# Allegro board 038NC-GRIFFI-V9A_16_20260429.brd (continued)
## Nets (continued)
GX1X_3418_17-154: SLOT17.E15
GX1X_3419_17-155: SLOT17.F15
GX1X_3420_17-156: SLOT17.Z15
GX1X_3421_17-157: SLOT17.Z13
GX1X_3422_17-158: SLOT17.A13
GX1X_3423_17-159: SLOT17.B13
GX1X_3424_17-160: SLOT17.C13
GX1X_3425_17-161: SLOT17.D13
GX1X_3426_17-162: SLOT17.E13
GX1X_3427_17-163: SLOT17.F13
GX1X_3428_17-164: SLOT17.A11
GX1X_3429_17-165: SLOT17.B11
GX1X_3430_17-166: SLOT17.C11
GX1X_3431_17-167: SLOT17.D11
GX1X_3432_17-168: SLOT17.E11
GX1X_3433_17-169: SLOT17.F11
GX1X_3434_17-170: SLOT17.Z11
GX1X_3435_17-171: SLOT17.Z9
GX1X_3436_17-172: SLOT17.A9
GX1X_3437_17-173: SLOT17.B9
GX1X_3438_17-174: SLOT17.C9
GX1X_3439_17-175: SLOT17.D9
GX1X_3440_17-176: SLOT17.E9
GX1X_3441_17-177: SLOT17.F9
GX1X_3442_17-178: SLOT17.A7
GX1X_3443_17-179: SLOT17.B7
GX1X_3444_17-180: SLOT17.C7
GX1X_3445_17-181: SLOT17.D7
GX1X_3446_17-182: SLOT17.E7
GX1X_3447_17-183: SLOT17.F7
GX1X_3448_17-184: SLOT17.Z7
GX1X_3449_17-185: SLOT17.Z5
GX1X_3450_17-186: SLOT17.A5
GX1X_3451_17-187: SLOT17.B5
GX1X_3452_17-188: SLOT17.C5
GX1X_3453_17-189: SLOT17.D5
GX1X_3454_17-190: SLOT17.E5
GX1X_3455_17-191: SLOT17.F5
GX1X_3648_19-0: SLOT19.C61
GX1X_3649_19-1: SLOT19.D61
GX1X_3650_19-2: SLOT19.E61
GX1X_3651_19-3: SLOT19.F61
GX1X_3652_19-4: SLOT19.A59
GX1X_3653_19-5: SLOT19.B59
GX1X_3654_19-6: SLOT19.C59
GX1X_3655_19-7: SLOT19.D59
GX1X_3656_19-8: SLOT19.E59
GX1X_3657_19-9: SLOT19.F59
GX1X_3658_19-10: SLOT19.Z59
GX1X_3659_19-11: SLOT19.Z57
GX1X_3660_19-12: SLOT19.A57
GX1X_3661_19-13: SLOT19.B57
GX1X_3662_19-14: SLOT19.C57
GX1X_3663_19-15: SLOT19.D57
GX1X_3664_19-16: SLOT19.E57
GX1X_3665_19-17: SLOT19.F57
GX1X_3666_19-18: SLOT19.A55
GX1X_3667_19-19: SLOT19.B55
GX1X_3668_19-20: SLOT19.C55
GX1X_3669_19-21: SLOT19.D55
GX1X_3670_19-22: SLOT19.E55
GX1X_3671_19-23: SLOT19.F55
GX1X_3672_19-24: SLOT19.Z55
GX1X_3673_19-25: SLOT19.Z53
GX1X_3674_19-26: SLOT19.A53
GX1X_3675_19-27: SLOT19.B53
GX1X_3676_19-28: SLOT19.C53
GX1X_3677_19-29: SLOT19.D53
GX1X_3678_19-30: SLOT19.E53
GX1X_3679_19-31: SLOT19.F53
GX1X_3680_19-32: SLOT19.A51
GX1X_3681_19-33: SLOT19.B51
GX1X_3682_19-34: SLOT19.C51
GX1X_3683_19-35: SLOT19.D51
GX1X_3684_19-36: SLOT19.E51
GX1X_3685_19-37: SLOT19.F51
GX1X_3686_19-38: SLOT19.A49
GX1X_3687_19-39: SLOT19.B49
GX1X_3688_19-40: SLOT19.C49
GX1X_3689_19-41: SLOT19.D49
GX1X_3690_19-42: SLOT19.E49
GX1X_3691_19-43: SLOT19.F49
GX1X_3692_19-44: SLOT19.Z49
GX1X_3693_19-45: SLOT19.Z47
GX1X_3694_19-46: SLOT19.A47
GX1X_3695_19-47: SLOT19.B47
GX1X_3696_19-48: SLOT19.C47
GX1X_3697_19-49: SLOT19.D47
GX1X_3698_19-50: SLOT19.E47
GX1X_3699_19-51: SLOT19.F47
GX1X_3700_19-52: SLOT19.A45
GX1X_3701_19-53: SLOT19.B45
GX1X_3702_19-54: SLOT19.C45
GX1X_3703_19-55: SLOT19.D45
GX1X_3704_19-56: SLOT19.E45
GX1X_3705_19-57: SLOT19.F45
GX1X_3706_19-58: SLOT19.Z45
GX1X_3707_19-59: SLOT19.Z43
GX1X_3708_19-60: SLOT19.A43
GX1X_3709_19-61: SLOT19.B43
GX1X_3710_19-62: SLOT19.C43
GX1X_3711_19-63: SLOT19.D43
GX1X_3712_19-64: SLOT19.A37
GX1X_3713_19-65: SLOT19.B37
GX1X_3714_19-66: SLOT19.C37
GX1X_3715_19-67: SLOT19.D37
GX1X_3716_19-68: SLOT19.E37
GX1X_3717_19-69: SLOT19.F37
GX1X_3718_19-70: SLOT19.A35
GX1X_3719_19-71: SLOT19.B35
GX1X_3720_19-72: SLOT19.C35
GX1X_3721_19-73: SLOT19.D35
GX1X_3722_19-74: SLOT19.E35
GX1X_3723_19-75: SLOT19.F35
GX1X_3724_19-76: SLOT19.Z35
GX1X_3725_19-77: SLOT19.Z33
GX1X_3726_19-78: SLOT19.A33
GX1X_3727_19-79: SLOT19.B33
GX1X_3728_19-80: SLOT19.C33
GX1X_3729_19-81: SLOT19.D33
GX1X_3730_19-82: SLOT19.E33
GX1X_3731_19-83: SLOT19.F33
GX1X_3732_19-84: SLOT19.A31
GX1X_3733_19-85: SLOT19.B31
GX1X_3734_19-86: SLOT19.C31
GX1X_3735_19-87: SLOT19.D31
GX1X_3736_19-88: SLOT19.E31
GX1X_3737_19-89: SLOT19.F31
GX1X_3738_19-90: SLOT19.Z31
GX1X_3739_19-91: SLOT19.Z29
GX1X_3740_19-92: SLOT19.A29
GX1X_3741_19-93: SLOT19.B29
GX1X_3742_19-94: SLOT19.C29
GX1X_3743_19-95: SLOT19.D29
GX1X_3744_19-96: SLOT19.E29
GX1X_3745_19-97: SLOT19.F29
GX1X_3746_19-98: SLOT19.A27
GX1X_3747_19-99: SLOT19.B27
GX1X_3748_19-100: SLOT19.C27
GX1X_3749_19-101: SLOT19.D27
GX1X_3750_19-102: SLOT19.E27
GX1X_3751_19-103: SLOT19.F27
GX1X_3752_19-104: SLOT19.Z27
GX1X_3753_19-105: SLOT19.Z25
GX1X_3754_19-106: SLOT19.A25
GX1X_3755_19-107: SLOT19.B25
GX1X_3756_19-108: SLOT19.C25
GX1X_3757_19-109: SLOT19.D25
GX1X_3758_19-110: SLOT19.E25
GX1X_3759_19-111: SLOT19.F25
GX1X_3760_19-112: SLOT19.A23
GX1X_3761_19-113: SLOT19.B23
GX1X_3762_19-114: SLOT19.C23
GX1X_3763_19-115: SLOT19.D23
GX1X_3764_19-116: SLOT19.E23
GX1X_3765_19-117: SLOT19.F23
GX1X_3766_19-118: SLOT19.Z23
GX1X_3767_19-119: SLOT19.Z21
GX1X_3768_19-120: SLOT19.A21
GX1X_3769_19-121: SLOT19.B21
GX1X_3770_19-122: SLOT19.C21
GX1X_3771_19-123: SLOT19.D21
GX1X_3772_19-124: SLOT19.E21
GX1X_3773_19-125: SLOT19.F21
GX1X_3774_19-126: SLOT19.B19
GX1X_3775_19-127: SLOT19.C19
GX1X_3776_19-128: SLOT19.E43
GX1X_3777_19-129: SLOT19.F43
GX1X_3778_19-130: SLOT19.A41
GX1X_3779_19-131: SLOT19.B41
GX1X_3780_19-132: SLOT19.C41
GX1X_3781_19-133: SLOT19.D41
GX1X_3782_19-134: SLOT19.E41
GX1X_3783_19-135: SLOT19.F41
GX1X_3784_19-136: SLOT19.Z41
GX1X_3785_19-137: SLOT19.Z39
GX1X_3786_19-138: SLOT19.A39
GX1X_3787_19-139: SLOT19.B39
GX1X_3788_19-140: SLOT19.C39
GX1X_3789_19-141: SLOT19.D39
GX1X_3790_19-142: SLOT19.E39
GX1X_3791_19-143: SLOT19.F39
GX1X_3792_19-144: SLOT19.A17
GX1X_3793_19-145: SLOT19.B17
GX1X_3794_19-146: SLOT19.C17
GX1X_3795_19-147: SLOT19.D17
GX1X_3796_19-148: SLOT19.E17
GX1X_3797_19-149: SLOT19.F17
GX1X_3798_19-150: SLOT19.A15
GX1X_3799_19-151: SLOT19.B15
GX1X_3800_19-152: SLOT19.C15
GX1X_3801_19-153: SLOT19.D15
GX1X_3802_19-154: SLOT19.E15
GX1X_3803_19-155: SLOT19.F15
GX1X_3804_19-156: SLOT19.Z15
GX1X_3805_19-157: SLOT19.Z13
GX1X_3806_19-158: SLOT19.A13
GX1X_3807_19-159: SLOT19.B13
GX1X_3808_19-160: SLOT19.C13
GX1X_3809_19-161: SLOT19.D13
GX1X_3810_19-162: SLOT19.E13
GX1X_3811_19-163: SLOT19.F13
GX1X_3812_19-164: SLOT19.A11
GX1X_3813_19-165: SLOT19.B11
GX1X_3814_19-166: SLOT19.C11
GX1X_3815_19-167: SLOT19.D11
GX1X_3816_19-168: SLOT19.E11
GX1X_3817_19-169: SLOT19.F11
GX1X_3818_19-170: SLOT19.Z11
GX1X_3819_19-171: SLOT19.Z9
GX1X_3820_19-172: SLOT19.A9
GX1X_3821_19-173: SLOT19.B9
GX1X_3822_19-174: SLOT19.C9
GX1X_3823_19-175: SLOT19.D9
GX1X_3824_19-176: SLOT19.E9
GX1X_3825_19-177: SLOT19.F9
GX1X_3826_19-178: SLOT19.A7
GX1X_3827_19-179: SLOT19.B7
GX1X_3828_19-180: SLOT19.C7
GX1X_3829_19-181: SLOT19.D7
GX1X_3830_19-182: SLOT19.E7
GX1X_3831_19-183: SLOT19.F7
GX1X_3832_19-184: SLOT19.Z7
GX1X_3833_19-185: SLOT19.Z5
GX1X_3834_19-186: SLOT19.A5
GX1X_3835_19-187: SLOT19.B5
GX1X_3836_19-188: SLOT19.C5
GX1X_3837_19-189: SLOT19.D5
GX1X_3838_19-190: SLOT19.E5
GX1X_3839_19-191: SLOT19.F5
HDVI_721_10-CH1BP: SLOT10.B35
HDVI_721_10-CH1F: SLOT10.F33 SLOT10.F35 UNK8K10.2
HDVI_721_10-CH1GS: SLOT10.A33 SLOT10.A35 UNK8SH9.1
HDVI_721_10-CH1S: SLOT10.C33 SLOT10.C35 UNK8K10.7
HDVI_722_10-CH2BP: SLOT10.B33
HDVI_723_10-CH3BP: SLOT10.B31
HDVI_723_10-CH3F: SITE8.F25(VSYS_F) SLOT10.F29 SLOT10.F31 UNK8CS25.1 UNK8K2.3 UNK8TP_VSYS_F.1
HDVI_723_10-CH3GS: SLOT10.A29 SLOT10.A31 UNK8SH7.2
HDVI_723_10-CH3S: SITE8.S25(VSYS_S) SLOT10.C29 SLOT10.C31 UNK8TP_VSYS_S.1
HDVI_724_10-CH4BP: SLOT10.B29
HDVI_725_10-CH5BP: SLOT10.B27
HDVI_725_10-CH5F: SITE8.F5(LSOUT1 / ILIM1_F) SLOT10.F27 UNK8CS5.2 UNK8K8.3 UNK8SH36.2 UNK8TP_LSOUT1_F.1
HDVI_725_10-CH5GS: SLOT10.A27 UNK8SH32.1
HDVI_725_10-CH5S: SITE8.S5(LSOUT1 / ILIM1_S) SLOT10.C27 UNK8TP_LSOUT1_S.1
HDVI_726_10-CH6BP: SLOT10.B25
HDVI_726_10-CH6F: SLOT10.F25 UNK8K13.4 UNK8TP_NPG/ATB1_F.1
HDVI_726_10-CH6GS: SLOT10.A25 UNK8SH16.1
HDVI_726_10-CH6S: SLOT10.C25 UNK8K13.5 UNK8TP_NPG/ATB1_S.1
HDVI_727_10-CH7BP: SLOT10.B23
HDVI_727_10-CH7F: SLOT10.F23 UNK8K14.4 UNK8TP_NCHG/ATB0_F.1
HDVI_727_10-CH7GS: SLOT10.A23 UNK8SH14.1
HDVI_727_10-CH7S: SLOT10.C23 UNK8K14.5
HDVI_728_10-CH8BP: SLOT10.B21
HDVI_728_10-CH8F: SITE8.F19(LSOUT2 / SUSPEND_F) SLOT10.F21 UNK8CS19.1 UNK8K8.6 UNK8SH38.2 UNK8TP_LSOUT2/SUSPEND_F.1
HDVI_728_10-CH8GS: SLOT10.A21 UNK8SH30.2
HDVI_728_10-CH8S: SITE8.S19(LSOUT2 / SUSPEND_S) SLOT10.C21 UNK8TP_LSOUT2/SUSPEND1_S.1
HDVI_729_10-CH9BP: SLOT10.D37
HDVI_729_10-CH9F: SLOT10.E35 SLOT10.F37 UNK6K10.2
HDVI_729_10-CH9GS: SLOT10.B37 SLOT10.C37 UNK6SH9.1
HDVI_729_10-CH9S: SLOT10.E33 SLOT10.E37 UNK6K10.7
HDVI_730_10-CH10BP: SLOT10.D33
HDVI_731_10-CH11BP: SLOT10.D29
HDVI_731_10-CH11F: SITE6.F25(VSYS_F) SLOT10.E27 SLOT10.E31 UNK6CS25.1 UNK6K2.3 UNK6TP_VSYS_F.1
HDVI_731_10-CH11GS: SLOT10.A37 SLOT10.B19 UNK6SH7.2
HDVI_731_10-CH11S: SITE6.S25(VSYS_S) SLOT10.E25 SLOT10.E29 UNK6TP_VSYS_S.1
HDVI_732_10-CH12BP: SLOT10.D25
HDVI_733_10-CH13BP: SLOT10.D21
HDVI_733_10-CH13F: SITE6.F5(LSOUT1 / ILIM1_F) SLOT10.E23 UNK6CS5.2 UNK6K8.3 UNK6SH36.2 UNK6TP_LSOUT1_F.1
HDVI_733_10-CH13GS: SLOT10.A19 UNK6SH32.1
HDVI_733_10-CH13S: SITE6.S5(LSOUT1 / ILIM1_S) SLOT10.E21 UNK6TP_LSOUT1_S.1
HDVI_734_10-CH14BP: SLOT10.D19
HDVI_734_10-CH14F: SLOT10.F19 UNK6K13.4 UNK6TP_NPG/ATB1_F.1
HDVI_734_10-CH14GS: SLOT10.C19 UNK6SH16.1
HDVI_734_10-CH14S: SLOT10.E19 UNK6K13.5 UNK6TP_NPG/ATB1_S.1
HDVI_735_10-CH15BP: SLOT10.D17
HDVI_735_10-CH15F: SLOT10.F17 UNK6K14.4 UNK6TP_NCHG/ATB0_F.1
HDVI_735_10-CH15GS: SLOT10.A17 UNK6SH14.1
HDVI_735_10-CH15S: SLOT10.E17 UNK6K14.5
HDVI_736_10-CH16BP: SLOT10.C17
HDVI_736_10-CH16F: SITE6.F19(LSOUT2 / SUSPEND_F) SLOT10.E15 UNK6CS19.1 UNK6K8.6 UNK6SH38.2 UNK6TP_LSOUT2/SUSPEND_F.1
HDVI_736_10-CH16GS: SLOT10.B17 UNK6SH30.2
HDVI_736_10-CH16S: SITE6.S19(LSOUT2 / SUSPEND_S) SLOT10.D15 UNK6TP_LSOUT2/SUSPEND1_S.1
HDVI_737_10-CH17BP: SLOT10.B15
HDVI_737_10-CH17F: SLOT10.F13 SLOT10.F15 UNK2K10.2
HDVI_737_10-CH17GS: SLOT10.A13 SLOT10.A15 UNK2SH9.1
HDVI_737_10-CH17S: SLOT10.C15 SLOT10.E13 UNK2K10.7
HDVI_738_10-CH18BP: SLOT10.D13
HDVI_739_10-CH19BP: SLOT10.D11
HDVI_739_10-CH19F: SITE2.F25(VSYS_F) SLOT10.E9 SLOT10.F11 UNK2CS25.1 UNK2K2.3 UNK2TP_VSYS_F.1
HDVI_739_10-CH19GS: SLOT10.B13 SLOT10.C13 UNK2SH7.2
HDVI_739_10-CH19S: SITE2.S25(VSYS_S) SLOT10.D9 SLOT10.E11 UNK2TP_VSYS_S.1
HDVI_740_10-CH20BP: SLOT10.C11
HDVI_741_10-CH21BP: SLOT10.B9
HDVI_741_10-CH21F: SITE2.F5(LSOUT1 / ILIM1_F) SLOT10.F9 UNK2CS5.2 UNK2K8.3 UNK2SH36.2 UNK2TP_LSOUT1_F.1
HDVI_741_10-CH21GS: SLOT10.B11 UNK2SH32.1
HDVI_741_10-CH21S: SITE2.S5(LSOUT1 / ILIM1_S) SLOT10.C9 UNK2TP_LSOUT1_S.1
HDVI_742_10-CH22BP: SLOT10.D7
HDVI_742_10-CH22F: SLOT10.F7 UNK2K13.4 UNK2TP_NPG/ATB1_F.1
HDVI_742_10-CH22GS: SLOT10.A11 UNK2SH16.1
HDVI_742_10-CH22S: SLOT10.E7 UNK2K13.5 UNK2TP_NPG/ATB1_S.1
HDVI_743_10-CH23BP: SLOT10.D5
HDVI_743_10-CH23F: SLOT10.F5 UNK2K14.4 UNK2TP_NCHG/ATB0_F.1
HDVI_743_10-CH23GS: SLOT10.A9 UNK2SH14.1
HDVI_743_10-CH23S: SLOT10.E5 UNK2K14.5
HDVI_744_10-CH24BP: SLOT10.D3
HDVI_744_10-CH24F: SITE2.F19(LSOUT2 / SUSPEND_F) SLOT10.F3 UNK2CS19.1 UNK2K8.6 UNK2SH38.2 UNK2TP_LSOUT2/SUSPEND_F.1
HDVI_744_10-CH24GS: SLOT10.A7 UNK2SH30.2
HDVI_744_10-CH24S: SITE2.S19(LSOUT2 / SUSPEND_S) SLOT10.E3 UNK2TP_LSOUT2/SUSPEND1_S.1
HDVI_745_10-CH25BP: SLOT10.D1
HDVI_745_10-CH25F: SLOT10.F1
HDVI_745_10-CH25GS: SLOT10.B7
HDVI_745_10-CH25S: SLOT10.E1
HDVI_746_10-CH26BP: SLOT10.C3
HDVI_746_10-CH26F: SLOT10.G4
HDVI_746_10-CH26GS: SLOT10.C7
HDVI_746_10-CH26S: SLOT10.C1
HDVI_747_10-CH27BP: SLOT10.D2
HDVI_747_10-CH27F: SLOT10.F2
HDVI_747_10-CH27GS: SLOT10.C5
HDVI_747_10-CH27S: SLOT10.C4
HDVI_748_10-CH28BP: SLOT10.B3
HDVI_748_10-CH28F: SLOT10.A4
HDVI_748_10-CH28GS: SLOT10.B5
HDVI_748_10-CH28S: SLOT10.B1
HDVI_749_10-CH29BP: SLOT10.A3
HDVI_749_10-CH29F: SLOT10.B2
HDVI_749_10-CH29GS: SLOT10.A5
HDVI_749_10-CH29S: SLOT10.A1
HDVI_750_10-CH30BP: SLOT10.A60
HDVI_750_10-CH30F: SLOT10.B62
HDVI_750_10-CH30GS: SLOT10.B58
HDVI_750_10-CH30S: SLOT10.A61
HDVI_751_10-CH31BP: SLOT10.A59
HDVI_751_10-CH31F: SLOT10.C62
HDVI_751_10-CH31GS: SLOT10.A57
HDVI_751_10-CH31S: SLOT10.B61
HDVI_752_10-CH32BP: SLOT10.E60
HDVI_752_10-CH32F: SLOT10.F62
HDVI_752_10-CH32GS: SLOT10.C60
HDVI_752_10-CH32S: SLOT10.F61
HDVI_753_10-CH33BP: SLOT10.D61
HDVI_753_10-CH33F: SLOT10.E62 SLOT10.F59 UNK16K10.2
HDVI_753_10-CH33GS: SLOT10.B59 SLOT10.C61 UNK16SH9.1
HDVI_753_10-CH33S: SLOT10.D59 SLOT10.E61 UNK16K10.7
HDVI_754_10-CH34BP: SLOT10.C59
HDVI_755_10-CH35BP: SLOT10.F58
HDVI_755_10-CH35F: SITE16.F25(VSYS_F) SLOT10.E57 SLOT10.G60 UNK16CS25.1 UNK16K2.3 UNK16TP_VSYS_F.1
HDVI_755_10-CH35GS: SLOT10.B57 SLOT10.D58 UNK16SH7.2
HDVI_755_10-CH35S: SITE16.S25(VSYS_S) SLOT10.D57 SLOT10.E59 UNK16TP_VSYS_S.1
HDVI_756_10-CH36BP: SLOT10.C57
HDVI_757_10-CH37BP: SLOT10.E56
HDVI_757_10-CH37F: SITE16.F5(LSOUT1 / ILIM1_F) SLOT10.F57 UNK16CS5.2 UNK16K8.3 UNK16SH36.2 UNK16TP_LSOUT1_F.1
HDVI_757_10-CH37GS: SLOT10.C56 UNK16SH32.1
HDVI_757_10-CH37S: SITE16.S5(LSOUT1 / ILIM1_S) SLOT10.G56 UNK16TP_LSOUT1_S.1
HDVI_758_10-CH38BP: SLOT10.D55
HDVI_758_10-CH38F: SLOT10.F55 UNK16K13.4 UNK16TP_NPG/ATB1_F.1
HDVI_758_10-CH38GS: SLOT10.B55 UNK16SH16.1
HDVI_758_10-CH38S: SLOT10.E55 UNK16K13.5 UNK16TP_NPG/ATB1_S.1
HDVI_759_10-CH39BP: SLOT10.B54
HDVI_759_10-CH39F: SLOT10.E52 UNK16K14.4 UNK16TP_NCHG/ATB0_F.1
HDVI_759_10-CH39GS: SLOT10.A55 UNK16SH14.1
HDVI_759_10-CH39S: SLOT10.C55 UNK16K14.5
HDVI_760_10-CH40BP: SLOT10.D54
HDVI_760_10-CH40F: SITE16.F19(LSOUT2 / SUSPEND_F) SLOT10.G52 UNK16CS19.1 UNK16K8.6 UNK16SH38.2 UNK16TP_LSOUT2/SUSPEND_F.1
HDVI_760_10-CH40GS: SLOT10.A56 UNK16SH30.2
HDVI_760_10-CH40S: SITE16.S19(LSOUT2 / SUSPEND_S) SLOT10.F54 UNK16TP_LSOUT2/SUSPEND1_S.1
HDVI_761_10-CH41BP: SLOT10.B53
HDVI_761_10-CH41F: SLOT10.F51 SLOT10.F53 UNK14K10.2
HDVI_761_10-CH41GS: SLOT10.A52 SLOT10.A53 UNK14SH9.1
HDVI_761_10-CH41S: SLOT10.C53 SLOT10.E53 UNK14K10.7
HDVI_762_10-CH42BP: SLOT10.D53
HDVI_763_10-CH43BP: SLOT10.C51
HDVI_763_10-CH43F: SITE14.F25(VSYS_F) SLOT10.E51 SLOT10.F49 UNK14CS25.1 UNK14K2.3 UNK14TP_VSYS_F.1
HDVI_763_10-CH43GS: SLOT10.A51 SLOT10.C52 UNK14SH7.2
HDVI_763_10-CH43S: SITE14.S25(VSYS_S) SLOT10.D51 SLOT10.F50 UNK14TP_VSYS_S.1
HDVI_764_10-CH44BP: SLOT10.D50
HDVI_765_10-CH45BP: SLOT10.B50
HDVI_765_10-CH45F: SITE14.F5(LSOUT1 / ILIM1_F) SLOT10.E49 UNK14CS5.2 UNK14K8.3 UNK14SH36.2 UNK14TP_LSOUT1_F.1
HDVI_765_10-CH45GS: SLOT10.B51 UNK14SH32.1
HDVI_765_10-CH45S: SITE14.S5(LSOUT1 / ILIM1_S) SLOT10.D49 UNK14TP_LSOUT1_S.1
HDVI_766_10-CH46BP: SLOT10.B49
HDVI_766_10-CH46F: SLOT10.G48 UNK14K13.4 UNK14TP_NPG/ATB1_F.1
HDVI_766_10-CH46GS: SLOT10.A49 UNK14SH16.1
HDVI_766_10-CH46S: SLOT10.C49 UNK14K13.5 UNK14TP_NPG/ATB1_S.1
HDVI_767_10-CH47BP: SLOT10.D47
HDVI_767_10-CH47F: SLOT10.F47 UNK14K14.4 UNK14TP_NCHG/ATB0_F.1
HDVI_767_10-CH47GS: SLOT10.A48 UNK14SH14.1
HDVI_767_10-CH47S: SLOT10.E47 UNK14K14.5
HDVI_768_10-CH48BP: SLOT10.C45
HDVI_768_10-CH48F: SITE14.F19(LSOUT2 / SUSPEND_F) SLOT10.F45 UNK14CS19.1 UNK14K8.6 UNK14SH38.2 UNK14TP_LSOUT2/SUSPEND_F.1
HDVI_768_10-CH48GS: SLOT10.C48 UNK14SH30.2
HDVI_768_10-CH48S: SITE14.S19(LSOUT2 / SUSPEND_S) SLOT10.D46 UNK14TP_LSOUT2/SUSPEND1_S.1
HDVI_769_10-CH49BP: SLOT10.C47
HDVI_769_10-CH49F: SLOT10.F46 SLOT10.G44 UNK12K10.2
HDVI_769_10-CH49GS: SLOT10.B47 SLOT10.E48 UNK12SH9.1
HDVI_769_10-CH49S: SLOT10.B45 SLOT10.E45 UNK12K10.7
HDVI_770_10-CH50BP: SLOT10.B46
HDVI_771_10-CH51BP: SLOT10.D45
HDVI_771_10-CH51F: SITE12.F25(VSYS_F) SLOT10.F41 SLOT10.F43 UNK12CS25.1 UNK12K2.3 UNK12TP_VSYS_F.1
HDVI_771_10-CH51GS: SLOT10.A45 SLOT10.A47 UNK12SH7.2
HDVI_771_10-CH51S: SITE12.S25(VSYS_S) SLOT10.E43 SLOT10.F42 UNK12TP_VSYS_S.1
HDVI_772_10-CH52BP: SLOT10.D43
HDVI_773_10-CH53BP: SLOT10.D42
HDVI_773_10-CH53F: SITE12.F5(LSOUT1 / ILIM1_F) SLOT10.G40 UNK12CS5.2 UNK12K8.3 UNK12SH36.2 UNK12TP_LSOUT1_F.1
HDVI_773_10-CH53GS: SLOT10.A44 UNK12SH32.1
HDVI_773_10-CH53S: SITE12.S5(LSOUT1 / ILIM1_S) SLOT10.E41 UNK12TP_LSOUT1_S.1
HDVI_774_10-CH54BP: SLOT10.C41
HDVI_774_10-CH54F: SLOT10.F39 UNK12K13.4 UNK12TP_NPG/ATB1_F.1
HDVI_774_10-CH54GS: SLOT10.C44 UNK12SH16.1
HDVI_774_10-CH54S: SLOT10.D41 UNK12K13.5 UNK12TP_NPG/ATB1_S.1
HDVI_775_10-CH55BP: SLOT10.B41
HDVI_775_10-CH55F: SLOT10.F38 UNK12K14.4 UNK12TP_NCHG/ATB0_F.1
HDVI_775_10-CH55GS: SLOT10.E44 UNK12SH14.1
HDVI_775_10-CH55S: SLOT10.B39 UNK12K14.5
HDVI_776_10-CH56BP: SLOT10.C39
HDVI_776_10-CH56F: SITE12.F19(LSOUT2 / SUSPEND_F) SLOT10.E39 UNK12CS19.1 UNK12K8.6 UNK12SH38.2 UNK12TP_LSOUT2/SUSPEND_F.1
HDVI_776_10-CH56GS: SLOT10.C43 UNK12SH30.2
HDVI_776_10-CH56S: SITE12.S19(LSOUT2 / SUSPEND_S) SLOT10.D39 UNK12TP_LSOUT2/SUSPEND1_S.1
HDVI_777_10-CH57BP: SLOT10.A41
HDVI_777_10-CH57F: SLOT10.C40 SLOT10.E40 UNK10K10.2
HDVI_777_10-CH57GS: SLOT10.A43 SLOT10.B43 UNK10SH9.1
HDVI_777_10-CH57S: SLOT10.A39 SLOT10.A40 UNK10K10.7
HDVI_778_10-CH58BP: SLOT10.B42
HDVI_779_10-CH59BP: SLOT10.C36
HDVI_779_10-CH59F: SITE10.F25(VSYS_F) SLOT10.G32 SLOT10.G36 UNK10CS25.1 UNK10K2.3 UNK10TP_VSYS_F.1
HDVI_779_10-CH59GS: SLOT10.B38 SLOT10.D38 UNK10SH7.2
HDVI_779_10-CH59S: SITE10.S25(VSYS_S) SLOT10.E32 SLOT10.E36 UNK10TP_VSYS_S.1
HDVI_780_10-CH60BP: SLOT10.D34
HDVI_781_10-CH61BP: SLOT10.E24
HDVI_781_10-CH61F: SITE10.F5(LSOUT1 / ILIM1_F) SLOT10.E28 UNK10CS5.2 UNK10K8.3 UNK10SH36.2 UNK10TP_LSOUT1_F.1
HDVI_781_10-CH61GS: SLOT10.A36 UNK10SH32.1
HDVI_781_10-CH61S: SITE10.S5(LSOUT1 / ILIM1_S) SLOT10.F26 UNK10TP_LSOUT1_S.1
HDVI_782_10-CH62BP: SLOT10.F18
HDVI_782_10-CH62F: SLOT10.G20 UNK10K13.4 UNK10TP_NPG/ATB1_F.1
HDVI_782_10-CH62GS: SLOT10.B10 UNK10SH16.1
HDVI_782_10-CH62S: SLOT10.E16 UNK10K13.5 UNK10TP_NPG/ATB1_S.1
HDVI_783_10-CH63BP: SLOT10.E12
HDVI_783_10-CH63F: SLOT10.F14 UNK10K14.4 UNK10TP_NCHG/ATB0_F.1
HDVI_783_10-CH63GS: SLOT10.A8 UNK10SH14.1
HDVI_783_10-CH63S: SLOT10.D10 UNK10K14.5
HDVI_784_10-CH64BP: SLOT10.E8
HDVI_784_10-CH64F: SITE10.F19(LSOUT2 / SUSPEND_F) SLOT10.G8 UNK10CS19.1 UNK10K8.6 UNK10SH38.2 UNK10TP_LSOUT2/SUSPEND_F.1
HDVI_784_10-CH64GS: SLOT10.C8 UNK10SH30.2
HDVI_784_10-CH64S: SITE10.S19(LSOUT2 / SUSPEND_S) SLOT10.F6 UNK10TP_LSOUT2/SUSPEND1_S.1
HDVI_785_10-CH65BP: SLOT10.B34
HDVI_785_10-CH65F: SLOT10.F30 SLOT10.F34 UNK4K10.2
HDVI_785_10-CH65GS: SLOT10.A32 SLOT10.B30 UNK4SH9.1
HDVI_785_10-CH65S: SLOT10.C28 SLOT10.C32 UNK4K10.7
HDVI_786_10-CH66BP: SLOT10.D30
HDVI_787_10-CH67BP: SLOT10.B26
HDVI_787_10-CH67F: SITE4.F25(VSYS_F) SLOT10.G24 SLOT10.G28 UNK4CS25.1 UNK4K2.3 UNK4TP_VSYS_F.1
HDVI_787_10-CH67GS: SLOT10.A24 SLOT10.A28 UNK4SH7.2
HDVI_787_10-CH67S: SITE4.S25(VSYS_S) SLOT10.B22 SLOT10.D26 UNK4TP_VSYS_S.1
HDVI_788_10-CH68BP: SLOT10.C24
HDVI_789_10-CH69BP: SLOT10.C20
HDVI_789_10-CH69F: SITE4.F5(LSOUT1 / ILIM1_F) SLOT10.F22 UNK4CS5.2 UNK4K8.3 UNK4SH36.2 UNK4TP_LSOUT1_F.1
HDVI_789_10-CH69GS: SLOT10.A20 UNK4SH32.1
HDVI_789_10-CH69S: SITE4.S5(LSOUT1 / ILIM1_S) SLOT10.D22 UNK4TP_LSOUT1_S.1
HDVI_790_10-CH70BP: SLOT10.D18
HDVI_790_10-CH70F: SLOT10.G16 UNK4K13.4 UNK4TP_NPG/ATB1_F.1
HDVI_790_10-CH70GS: SLOT10.B18 UNK4SH16.1
HDVI_790_10-CH70S: SLOT10.E20 UNK4K13.5 UNK4TP_NPG/ATB1_S.1
HDVI_791_10-CH71BP: SLOT10.C16
HDVI_791_10-CH71F: SLOT10.G12 UNK4K14.4 UNK4TP_NCHG/ATB0_F.1
HDVI_791_10-CH71GS: SLOT10.A16 UNK4SH14.1
HDVI_791_10-CH71S: SLOT10.B14 UNK4K14.5
HDVI_792_10-CH72BP: SLOT10.C12
HDVI_792_10-CH72F: SITE4.F19(LSOUT2 / SUSPEND_F) SLOT10.F10 UNK4CS19.1 UNK4K8.6 UNK4SH38.2 UNK4TP_LSOUT2/SUSPEND_F.1
HDVI_792_10-CH72GS: SLOT10.A12 UNK4SH30.2
HDVI_792_10-CH72S: SITE4.S19(LSOUT2 / SUSPEND_S) SLOT10.D14 UNK4TP_LSOUT2/SUSPEND1_S.1
HDVI_937_13-CH1BP: SLOT13.B35
HDVI_937_13-CH1F: SLOT13.F33 SLOT13.F35 UNK9K10.2
HDVI_937_13-CH1GS: SLOT13.A33 SLOT13.A35 UNK9SH9.1
HDVI_937_13-CH1S: SLOT13.C33 SLOT13.C35 UNK9K10.7
HDVI_938_13-CH2BP: SLOT13.B33
HDVI_939_13-CH3BP: SLOT13.B31
HDVI_939_13-CH3F: SITE9.F25(VSYS_F) SLOT13.F29 SLOT13.F31 UNK9CS25.1 UNK9K2.3 UNK9TP_VSYS_F.1
HDVI_939_13-CH3GS: SLOT13.A29 SLOT13.A31 UNK9SH7.2
HDVI_939_13-CH3S: SITE9.S25(VSYS_S) SLOT13.C29 SLOT13.C31 UNK9TP_VSYS_S.1
HDVI_940_13-CH4BP: SLOT13.B29
HDVI_941_13-CH5BP: SLOT13.B27
HDVI_941_13-CH5F: SITE9.F5(LSOUT1 / ILIM1_F) SLOT13.F27 UNK9CS5.2 UNK9K8.3 UNK9SH36.2 UNK9TP_LSOUT1_F.1
HDVI_941_13-CH5GS: SLOT13.A27 UNK9SH32.1
HDVI_941_13-CH5S: SITE9.S5(LSOUT1 / ILIM1_S) SLOT13.C27 UNK9TP_LSOUT1_S.1
HDVI_942_13-CH6BP: SLOT13.B25
HDVI_942_13-CH6F: SLOT13.F25 UNK9K13.4 UNK9TP_NPG/ATB1_F.1
HDVI_942_13-CH6GS: SLOT13.A25 UNK9SH16.1
HDVI_942_13-CH6S: SLOT13.C25 UNK9K13.5 UNK9TP_NPG/ATB1_S.1
HDVI_943_13-CH7BP: SLOT13.B23
HDVI_943_13-CH7F: SLOT13.F23 UNK9K14.4 UNK9TP_NCHG/ATB0_F.1
HDVI_943_13-CH7GS: SLOT13.A23 UNK9SH14.1
HDVI_943_13-CH7S: SLOT13.C23 UNK9K14.5
HDVI_944_13-CH8BP: SLOT13.B21
HDVI_944_13-CH8F: SITE9.F19(LSOUT2 / SUSPEND_F) SLOT13.F21 UNK9CS19.1 UNK9K8.6 UNK9SH38.2 UNK9TP_LSOUT2/SUSPEND_F.1
HDVI_944_13-CH8GS: SLOT13.A21 UNK9SH30.2
HDVI_944_13-CH8S: SITE9.S19(LSOUT2 / SUSPEND_S) SLOT13.C21 UNK9TP_LSOUT2/SUSPEND1_S.1
HDVI_945_13-CH9BP: SLOT13.D37
HDVI_945_13-CH9F: SLOT13.E35 SLOT13.F37 UNK11K10.2
HDVI_945_13-CH9GS: SLOT13.B37 SLOT13.C37 UNK11SH9.1
HDVI_945_13-CH9S: SLOT13.E33 SLOT13.E37 UNK11K10.7
HDVI_946_13-CH10BP: SLOT13.D33
HDVI_947_13-CH11BP: SLOT13.D29
HDVI_947_13-CH11F: SITE11.F25(VSYS_F) SLOT13.E27 SLOT13.E31 UNK11CS25.1 UNK11K2.3 UNK11TP_VSYS_F.1
HDVI_947_13-CH11GS: SLOT13.A37 SLOT13.B19 UNK11SH7.2
HDVI_947_13-CH11S: SITE11.S25(VSYS_S) SLOT13.E25 SLOT13.E29 UNK11TP_VSYS_S.1
HDVI_948_13-CH12BP: SLOT13.D25
HDVI_949_13-CH13BP: SLOT13.D21
HDVI_949_13-CH13F: SITE11.F5(LSOUT1 / ILIM1_F) SLOT13.E23 UNK11CS5.2 UNK11K8.3 UNK11SH36.2 UNK11TP_LSOUT1_F.1
HDVI_949_13-CH13GS: SLOT13.A19 UNK11SH32.1
HDVI_949_13-CH13S: SITE11.S5(LSOUT1 / ILIM1_S) SLOT13.E21 UNK11TP_LSOUT1_S.1
HDVI_950_13-CH14BP: SLOT13.D19
HDVI_950_13-CH14F: SLOT13.F19 UNK11K13.4 UNK11TP_NPG/ATB1_F.1
HDVI_950_13-CH14GS: SLOT13.C19 UNK11SH16.1
HDVI_950_13-CH14S: SLOT13.E19 UNK11K13.5 UNK11TP_NPG/ATB1_S.1
HDVI_951_13-CH15BP: SLOT13.D17
HDVI_951_13-CH15F: SLOT13.F17 UNK11K14.4 UNK11TP_NCHG/ATB0_F.1
HDVI_951_13-CH15GS: SLOT13.A17 UNK11SH14.1
HDVI_951_13-CH15S: SLOT13.E17 UNK11K14.5
HDVI_952_13-CH16BP: SLOT13.C17
HDVI_952_13-CH16F: SITE11.F19(LSOUT2 / SUSPEND_F) SLOT13.E15 UNK11CS19.1 UNK11K8.6 UNK11SH38.2 UNK11TP_LSOUT2/SUSPEND_F.1
HDVI_952_13-CH16GS: SLOT13.B17 UNK11SH30.2
HDVI_952_13-CH16S: SITE11.S19(LSOUT2 / SUSPEND_S) SLOT13.D15 UNK11TP_LSOUT2/SUSPEND1_S.1
HDVI_953_13-CH17BP: SLOT13.B15
HDVI_953_13-CH17F: SLOT13.F13 SLOT13.F15 UNK15K10.2
HDVI_953_13-CH17GS: SLOT13.A13 SLOT13.A15 UNK15SH9.1
HDVI_953_13-CH17S: SLOT13.C15 SLOT13.E13 UNK15K10.7
HDVI_954_13-CH18BP: SLOT13.D13
HDVI_955_13-CH19BP: SLOT13.D11
HDVI_955_13-CH19F: SITE15.F25(VSYS_F) SLOT13.E9 SLOT13.F11 UNK15CS25.1 UNK15K2.3 UNK15TP_VSYS_F.1
HDVI_955_13-CH19GS: SLOT13.B13 SLOT13.C13 UNK15SH7.2
HDVI_955_13-CH19S: SITE15.S25(VSYS_S) SLOT13.D9 SLOT13.E11 UNK15TP_VSYS_S.1
HDVI_956_13-CH20BP: SLOT13.C11
HDVI_957_13-CH21BP: SLOT13.B9
HDVI_957_13-CH21F: SITE15.F5(LSOUT1 / ILIM1_F) SLOT13.F9 UNK15CS5.2 UNK15K8.3 UNK15SH36.2 UNK15TP_LSOUT1_F.1
HDVI_957_13-CH21GS: SLOT13.B11 UNK15SH32.1
HDVI_957_13-CH21S: SITE15.S5(LSOUT1 / ILIM1_S) SLOT13.C9 UNK15TP_LSOUT1_S.1
HDVI_958_13-CH22BP: SLOT13.D7
HDVI_958_13-CH22F: SLOT13.F7 UNK15K13.4 UNK15TP_NPG/ATB1_F.1
HDVI_958_13-CH22GS: SLOT13.A11 UNK15SH16.1
HDVI_958_13-CH22S: SLOT13.E7 UNK15K13.5 UNK15TP_NPG/ATB1_S.1
HDVI_959_13-CH23BP: SLOT13.D5
HDVI_959_13-CH23F: SLOT13.F5 UNK15K14.4 UNK15TP_NCHG/ATB0_F.1
HDVI_959_13-CH23GS: SLOT13.A9 UNK15SH14.1
HDVI_959_13-CH23S: SLOT13.E5 UNK15K14.5
HDVI_960_13-CH24BP: SLOT13.D3
HDVI_960_13-CH24F: SITE15.F19(LSOUT2 / SUSPEND_F) SLOT13.F3 UNK15CS19.1 UNK15K8.6 UNK15SH38.2 UNK15TP_LSOUT2/SUSPEND_F.1
HDVI_960_13-CH24GS: SLOT13.A7 UNK15SH30.2
HDVI_960_13-CH24S: SITE15.S19(LSOUT2 / SUSPEND_S) SLOT13.E3 UNK15TP_LSOUT2/SUSPEND1_S.1
HDVI_961_13-CH25BP: SLOT13.D1
HDVI_961_13-CH25F: SLOT13.F1
HDVI_961_13-CH25GS: SLOT13.B7
HDVI_961_13-CH25S: SLOT13.E1
HDVI_962_13-CH26BP: SLOT13.C3
HDVI_962_13-CH26F: SLOT13.G4
HDVI_962_13-CH26GS: SLOT13.C7
HDVI_962_13-CH26S: SLOT13.C1
HDVI_963_13-CH27BP: SLOT13.D2
HDVI_963_13-CH27F: SLOT13.F2
HDVI_963_13-CH27GS: SLOT13.C5
HDVI_963_13-CH27S: SLOT13.C4
HDVI_964_13-CH28BP: SLOT13.B3
HDVI_964_13-CH28F: SLOT13.A4
HDVI_964_13-CH28GS: SLOT13.B5
HDVI_964_13-CH28S: SLOT13.B1
HDVI_965_13-CH29BP: SLOT13.A3
HDVI_965_13-CH29F: SLOT13.B2
HDVI_965_13-CH29GS: SLOT13.A5
HDVI_965_13-CH29S: SLOT13.A1
HDVI_966_13-CH30BP: SLOT13.A60
HDVI_966_13-CH30F: SLOT13.B62
HDVI_966_13-CH30GS: SLOT13.B58
HDVI_966_13-CH30S: SLOT13.A61
HDVI_967_13-CH31BP: SLOT13.A59
HDVI_967_13-CH31F: SLOT13.C62
HDVI_967_13-CH31GS: SLOT13.A57
HDVI_967_13-CH31S: SLOT13.B61
HDVI_968_13-CH32BP: SLOT13.E60
HDVI_968_13-CH32F: SLOT13.F62
HDVI_968_13-CH32GS: SLOT13.C60
HDVI_968_13-CH32S: SLOT13.F61
HDVI_969_13-CH33BP: SLOT13.D61
HDVI_969_13-CH33F: SLOT13.E62 SLOT13.F59 UNK1K10.2
HDVI_969_13-CH33GS: SLOT13.B59 SLOT13.C61 UNK1SH9.1
HDVI_969_13-CH33S: SLOT13.D59 SLOT13.E61 UNK1K10.7
HDVI_970_13-CH34BP: SLOT13.C59
HDVI_971_13-CH35BP: SLOT13.F58
HDVI_971_13-CH35F: SITE1.F25(VSYS_F) SLOT13.E57 SLOT13.G60 UNK1CS25.1 UNK1K2.3 UNK1TP_VSYS_F.1
HDVI_971_13-CH35GS: SLOT13.B57 SLOT13.D58 UNK1SH7.2
HDVI_971_13-CH35S: SITE1.S25(VSYS_S) SLOT13.D57 SLOT13.E59 UNK1TP_VSYS_S.1
HDVI_972_13-CH36BP: SLOT13.C57
HDVI_973_13-CH37BP: SLOT13.E56
HDVI_973_13-CH37F: SITE1.F5(LSOUT1 / ILIM1_F) SLOT13.F57 UNK1CS5.2 UNK1K8.3 UNK1SH36.2 UNK1TP_LSOUT1_F.1
HDVI_973_13-CH37GS: SLOT13.C56 UNK1SH32.1
HDVI_973_13-CH37S: SITE1.S5(LSOUT1 / ILIM1_S) SLOT13.G56 UNK1TP_LSOUT1_S.1
HDVI_974_13-CH38BP: SLOT13.D55
HDVI_974_13-CH38F: SLOT13.F55 UNK1K13.4 UNK1TP_NPG/ATB1_F.1
HDVI_974_13-CH38GS: SLOT13.B55 UNK1SH16.1
HDVI_974_13-CH38S: SLOT13.E55 UNK1K13.5 UNK1TP_NPG/ATB1_S.1
HDVI_975_13-CH39BP: SLOT13.B54
HDVI_975_13-CH39F: SLOT13.E52 UNK1K14.4 UNK1TP_NCHG/ATB0_F.1